# KiCad board RX8-7(WithoutOpAmps).kicad_pcb (continued)
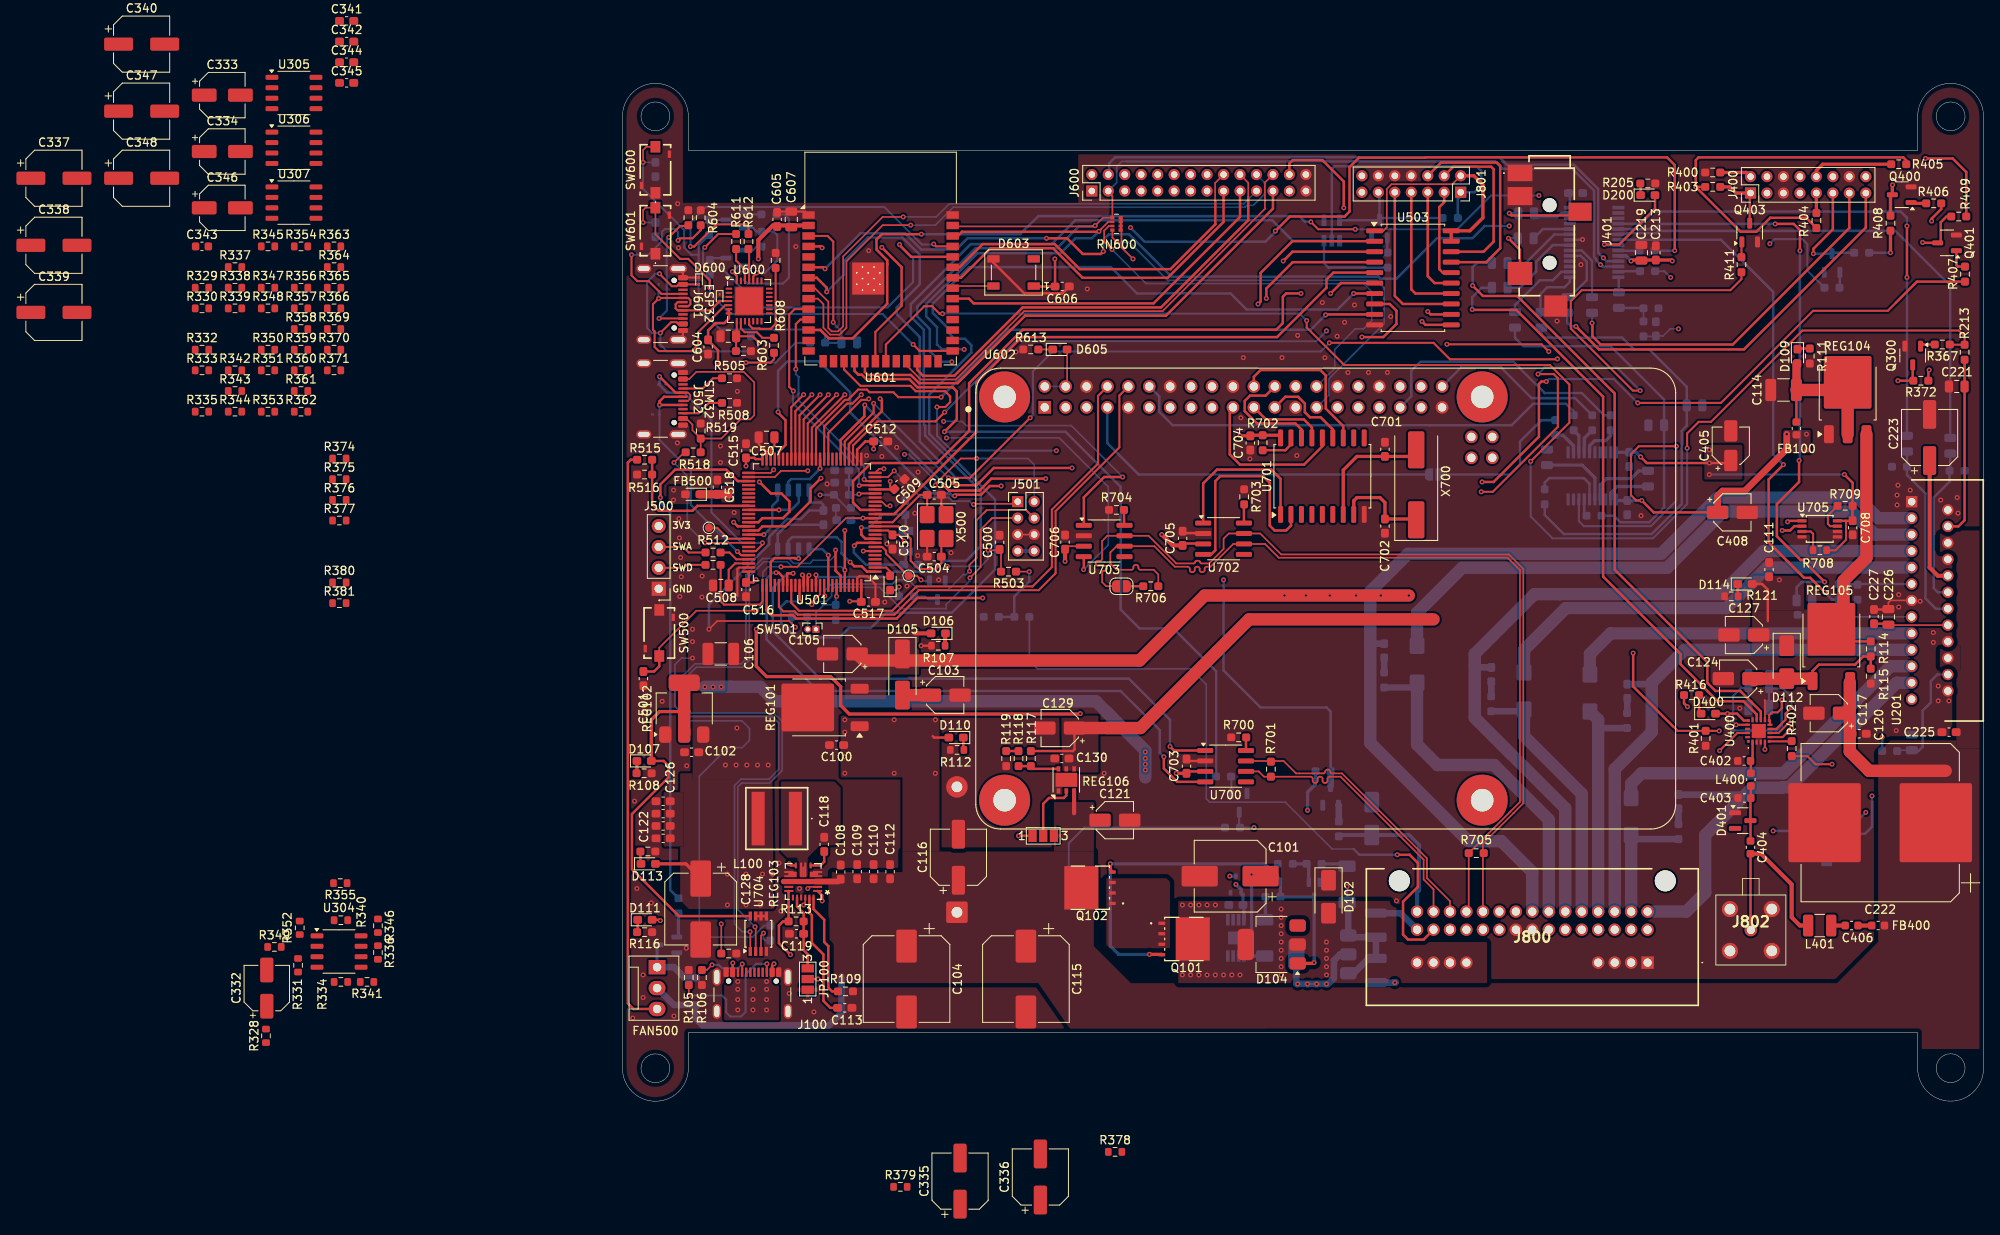
[diagram p0: board, top side]
## Routing (per net, layer and track width the routed paths; a pad name or vN(x,y) marks a point on that pad's centre or on a via; arc(x,y) is an arc through that point) (continued)
/MCU1/MT2_VH: length 91
  Top w0.3: U501.64 14,69.84 v1(13.5,70.34)
  In2.Cu w0.2: J600.14 70,111.59 70,109.54
  In2.Cu w0.3: v1(13.5,70.34) 12.55,71.29 12.55,75.64 20.85,83.94 30.8,83.94 38.7,91.84 38.7,92.39 40.95,94.64 68.3,94.64 70.3,96.64 70.3,107.94 70,108.24 70,109.54
/MCU1/MT2_VL: length 70.6
  Top w0.25: v1(29.91,85.33) 29.91,85.25 29.87,85.22 29.01,85.22 25,81.21 U501.34
  In2.Cu w0.2: J600.12 68.02,111.57 68.02,110.02
  In2.Cu w0.3: v1(29.91,85.33) 30.5,85.92 30.5,88.34 38.5,96.34 67.25,96.34 68.5,97.59 68.5,107.44 68.02,107.92 68.02,110.02
/MCU1/MT2_WH: length 99.6
  Top w0.3: v1(24.1,75.69) 22.85,74.44 22.85,72.89 19.8,69.84 17,69.84 16.5,69.34 U501.65
  In2.Cu w0.2: 72,109.54 72,111.59 J600.16
  In2.Cu w0.3: 72,109.54 72,95.99 69.05,93.04 42.28,93.04 36.78,87.54 36.78,87.47 31.05,81.74 21.5,81.74 17.65,77.89 17.65,76.09 18.05,75.69 v1(24.1,75.69)
/MCU1/MT2_WL: length 67.6
  Top w0.25: v1(29,85.84) 27.92,84.77 27.29,84.77 24.5,81.98 U501.35
  In2.Cu w0.3: v1(29,85.84) 29,87.84 38.2,97.04 66.2,97.04 67.8,98.64 67.8,107.04 67,107.84 J600.11
/MCU1/NRST: length 40.9
  Top w0.2: v1(19.25,64.93) 21.22,64.93 27.13,70.84 v1(29.2,70.84) ; v1(16.25,59.59) 8.97,59.59 4.47,55.09 SW500.2
  Top w0.3: C501.2 3.84,52.21 4.47,52.84 SW500.2 ; U501.14 v1(29.2,70.84)
  Bottom w0.2: v1(16.25,59.59) 17.05,60.39 17.05,64.28 17.7,64.93 v1(19.25,64.93)
  Bottom w0.3: v1(29.2,70.84) 27.9,70.84 27.8,70.74
/MCU1/OUT1Hz: length 8.5
  Top w0.25: v1(36.25,63.34) 35.75,63.84 TP500.1 34.7,63.84 32,66.54 32,66.89 31.54,67.34 U501.7
  Bottom w0.25: Q502.2 36.36,63.23 v1(36.25,63.34)
/MCU1/OUT25MHz: length 5.4
  Top w0.25: U501.67 12.82,68.34 11.5,69.67 TP501.1
/MCU1/PA2: length 19.5
  Top w0.2: v1(42.65,72.51) 42.74,72.59 47.75,72.59 48,72.84 ; v1(33,76.59) 32.25,75.84 U501.24
  Bottom w0.2: v1(42.65,72.51) 42.55,72.51 42.14,72.91 40.08,72.91 39.89,73.1 39.88,73.1 39.64,73.34 36.25,73.34 v1(33,76.59)
/MCU1/PA3: length 28.4
  Top w0.2: v1(38,74.84) 38,74.99 41.1,78.09 v1(43,78.09) ; v1(31.75,76.84) 31.17,76.84 U501.25
  In2.Cu w0.2: v1(34.25,78.59) 33.5,78.59 v1(31.75,76.84)
  Bottom w0.2: v1(43,78.09) 49.25,78.09 50,77.34 50,72.84 ; v1(34.25,78.59) 34.79,78.59 38,75.39 v1(38,74.84)
/MCU1/PB4: length 41.4
  Top w0.2: 44.56,70.51 43.5,69.44 43.5,64.89 v1(42.2,63.59) ; 44.56,70.51 44.9,70.84 48,70.84 ; 44.56,70.51 44.91,70.85 J501.3 ; U501.90 24,61.59 23,60.59 v1(23,60.34)
  Bottom w0.2: v1(42.2,63.59) 42.15,63.54 42.15,63.19 39.3,60.34 39.3,59.84 33.83,59.84 31.23,62.44 25.7,62.44 25.4,62.14 25.4,61.37 24.73,60.71 23.36,60.71 v1(23,60.34)
/MCU1/PB5: length 37.9
  Top w0.2: 43.85,71.45 44.24,71.83 ; 43.85,71.45 43,70.59 43,66.01 42.13,65.15 42.13,64.41 v1(42.15,64.39) ; 43.85,71.45 44.24,71.83 49.01,71.83 50,70.84 ; v1(24.56,61.39) 24.5,61.45 U501.91 ; 49.02,71.83 J501.4
  Bottom w0.2: v1(42.15,64.39) 41.74,63.99 41.39,63.99 39.5,62.09 36,62.09 34.75,63.34 33.25,63.34 32.75,62.84 25.4,62.84 24.56,62.01 v1(24.56,61.39)
/MCU1/QSPI_CLK: length 6.7
  Top w0.3: v1(24,76.88) U501.36
  Bottom w0.3: v1(24,76.88) 22.71,75.59 20.5,75.59 20.11,75.21 U502.6
/MCU1/QSPI_CS: length 6.3
  Top w0.3: v1(25,66.34) U501.92
  Bottom w0.3: U502.1 24.26,67.08 v1(25,66.34)
/MCU1/QSPI_D0: length 8
  Top w0.3: U501.66 v1(17.17,68.84)
  Bottom w0.3: U502.5 18.84,72.99 18.2,72.34 18.2,69.87 v1(17.17,68.84)
/MCU1/QSPI_D1: length 7.6
  Top w0.3: U501.78 18,65.51 18.48,65.99 20.95,65.99 21,65.94 v1(21.38,65.94)
  Bottom w0.3: v1(21.38,65.94) U502.2
/MCU1/QSPI_D2: length 14.3
  Top w0.3: U501.1 29.7,64.34 29.05,64.99 28.15,64.99 v1(27.65,65.49)
  Bottom w0.3: v1(27.65,65.49) 26.6,66.54 26.6,67.94 26,68.54 20.6,68.54 20.11,68.06 U502.3
/MCU1/QSPI_D3: length 8
  Top w0.3: U501.60 v1(19,71.84)
  Bottom w0.3: U502.7 21.38,72.73 20.5,71.84 v1(19,71.84)
/MCU1/RS_MODE: length 104
  Top w0.3: v1(22.65,63.9) 22.5,63.75 U501.87 ; v1(78.2,97.54) 78.2,98.74 81.41,101.95 91.35,101.95
  In2.Cu w0.3: v1(22.65,63.9) 22.65,64.39 22.85,64.59 24.95,64.59 26.9,62.64 29.73,62.64 31.03,61.34 39.6,61.34 41.5,63.24 41.5,65.93 42,66.43 42,87.43 42.5,87.93 42.5,88.44 43.9,89.84 50.46,89.84 51.61,90.99 70.82,90.99 71.97,92.14 73.4,92.14 77.46,96.2 77.46,96.2 77.84,96.58 77.84,96.58 78.2,96.94 v1(78.2,97.54)
/MCU1/STM32_RX: length 61.1
  Top w0.25: U602.8 57.75,85.69 57.75,77.48 52.15,71.88 52.15,64.89 49.8,62.54 35.7,62.54 32.75,59.59 21.46,59.59 20.5,60.55 U501.83
/MCU1/STM32_TX: length 65
  Top w0.25: U501.80 19,60.06 19.54,59.52 20.9,59.52 21.3,59.12 33.03,59.12 36,62.09 50.55,62.09 52.6,64.14 52.6,71.69 60.35,79.44 60.35,85.75 U602.10
/MCU1/U1LCD_CS: length 76.9
  Top w0.3: U501.15 33,71.34 42.96,81.3 42.96,87.3 48.5,92.84 79.5,92.84 85.5,98.84 85.5,99.84 86.34,100.68 U503.5
/MCU1/U1LCD_EN: length 135.5
  Top w0.3: v1(21.5,60.72) U501.85 ; v1(88.8,98.14) U503.7
  Bottom w0.3: v1(88.8,98.14) 86.86,96.19 75.8,96.19 73.85,98.14 62.5,98.14 59.3,101.34 42.11,101.34 37.7,96.93 37.7,95.74 39.45,93.99 39.45,93.49 40.3,92.64 41.6,92.64 42.38,91.87 42.38,90.97 37.25,85.84 37.25,81.09 45.25,73.09 45.25,64.59 40,59.34 32,59.34 30.15,57.49 27.5,57.49 26.35,56.34 21,56.34 19.25,58.09 19.25,60.09 19.88,60.72 v1(21.5,60.72)
/MCU1/U1LCD_MOSI: length 84.2
  Top w0.3: 91.35,99.41 87.26,99.41 v1(86,98.14) ; v1(82.4,98.14) 80.6,98.14 80.2,97.74 80.2,94.54 79.4,93.74 48.6,93.74 42.1,87.24 42.1,81.44 38.2,77.54 30.2,77.54 28,75.34 28,72.74 28.9,71.84 U501.16
  In2.Cu w0.3: v1(82.4,98.14) v1(86,98.14)
/MCU1/U1LCD_SCK: length 120
  Top w0.3: U501.46 19,78.94 19.8,79.74 19.8,82.74 18.9,83.64 v1(18.9,83.74) ; v1(80.25,102.09) 81.38,103.22 U503.3 ; v1(45.99,74.75) 45.98,74.74 44.61,74.74 43.56,73.69 40.5,73.69 v1(40.35,73.54)
  In2.Cu w0.3: v1(45.99,74.75) 45.1,75.64 45.1,76.94 44.3,77.74 44.3,81.84 42.6,83.54 42.6,87.32 44.31,89.02 50.38,89.02 51.75,90.39 73.7,90.39 80.25,96.94 v1(80.25,102.09)
  Bottom w0.3: v1(18.9,83.74) 18.9,88.74 20.05,89.89 23.87,89.89 27.65,86.11 27.65,83.69 37.5,73.84 39.78,73.84 40.06,73.56 40.34,73.56 v1(40.35,73.54)
/MCU1/UART7_RX: length 78.1
  Top w0.25: v1(38.7,85.54) 33.5,85.54 32.9,86.14 30,86.14 29.67,86.47 28.63,86.47 27.37,85.22 27.01,85.22 23.5,81.71 U501.37
  Top w0.3: U503.9 85.46,95.6 v1(85.4,95.54)
  Bottom w0.3: v1(38.7,85.54) 39.9,86.74 39.9,86.76 46.88,93.74 83.6,93.74 v1(85.4,95.54)
/MCU1/UART7_TX: length 111.7
  Top w0.3: v1(89.8,92.84) 92.4,92.84 94,94.44 94,96.04 93.18,96.87 91.35,96.87 ; U501.77 17.5,59.64 18.1,59.04 20.7,59.04 21.1,58.64 33.3,58.64 35.8,61.14 v1(43.75,61.14)
  In2.Cu w0.3: 50.17,87.81 50.17,78.01 43.75,71.59 v1(43.75,61.14) ; 50.17,87.81 50.47,88.12 ; 50.17,87.81 50.47,88.12 ; 50.47,88.12 51.9,89.54 86.2,89.54 89.5,92.84 v1(89.8,92.84)
/MCU1/USB_CC1: length 5.3
  Top w0.25: J502.A5 9.75,86.59 11,87.84 R505.1
/MCU1/USB_CC2: length 5.3
  Top w0.25: J502.B5 9.25,83.59 10.5,84.84 R508.1
/MCU1/USB_DN: length 36.4
  Top w0.2: J502.A7 7.96,85.09 8.23,85.36 8.23,85.83 7.96,86.09 J502.B7
  Top w0.25: v1(17,67.84) 17,67.64 16.2,66.84 U501.70
  Top w0.3: v1(4.5,88.04) 6.45,86.09 J502.B7
  Bottom w0.25: 6.45,86.09 7.45,86.09 10.8,82.74 10.8,71.54 14.5,67.84 v1(17,67.84)
  Bottom w0.3: v1(4.5,88.04) 4.5,87.18 D502.2 5.41,86.09 6.45,86.09
/MCU1/USB_DP: length 29.7
  Top w0.25: v1(13.95,66.79) 14.4,66.34 U501.71
  Top w0.3: J502.A6 5.05,85.59 4.5,85.04 v1(4.5,84.59) J502.B6
  Bottom w0.25: v1(4.5,84.59) 4.5,80.34 8.3,76.54 8.3,72.44 v1(13.95,66.79)
/MCU1/WheelButton_IN: length 23.8
  Top w0.2: R503.2 45.97,66.87 C500.1 45.69,66.93 v1(44.4,66.93) ; U501.18 31.51,72.84 32,72.35 32.49,72.35 v1(32.5,72.34)
  In2.Cu w0.2: v1(39.44,64.99) 38.09,66.34 37.2,66.34 36.5,67.04 35.76,67.04 35,67.8 35,69.84 v1(32.5,72.34)
  Bottom w0.2: v1(44.4,66.93) 44.4,65.86 43.53,64.99 v1(39.44,64.99)
/MCU2/CLCD_DC: length 62.4
  Top w0.3: J600.23 79,108.44 66,95.44 48.9,95.44 40.7,87.24 36.03,87.24 35.03,88.24 29.8,88.24 29.44,88.6 U601.19
/MCU2/CLCD_RST: length 57.9
  Top w0.2: J600.24 78.02,111.62 78.02,108.43 65.59,95.99 48.79,95.99 40.49,87.69 36.21,87.69 34.53,89.38 U601.23
/MCU2/CS1: length 42.6
  Top w0.3: U601.32 42.08,97.51 42.65,96.94 64.5,96.94 75,107.44 J600.19
/MCU2/CS2: length 73.5
  Top w0.2: v1(35,106.44) 31.6,106.44 27.2,102.04 27.2,93.98 26.37,93.14 25.23,93.14 24.4,93.98 24.4,96.84 23.73,97.51 U601.9
  Bottom w0.2: v1(35,106.44) 38,106.44 40.2,108.64 75.62,108.64 75.82,108.84 76.63,108.84 77.98,110.19 77.98,111.62 J600.22
/MCU2/CS3: length 70.5
  Top w0.2: v1(34.1,107.44) 31.6,107.44 26.8,102.64 26.8,94.14 26.2,93.54 25.4,93.54 25,93.94 25,97.14 23.36,98.78 U601.8
  Bottom w0.2: J600.21 75.45,109.04 39.7,109.04 38.1,107.44 v1(34.1,107.44)
/MCU2/LED_DIN: length 5.1
  Top w0.2: U601.33 40.36,99.04 D603.4
/MCU2/PI_CS: length 14.5
  Top w0.3: U701.16 82.46,81.62 81.74,82.34 77.07,82.34 75.57,83.84 75.57,85.08 76.22,85.73 78.11,85.73 U602.24
/MCU2/PI_INT: length 19
  Top w0.3: U602.22 76.68,88.02 77.5,88.84 84.75,88.84 85.41,88.18 85.41,84.16 87.54,82.03 U701.12
/MCU2/PI_MISO: length 9.3
  Top w0.3: U701.15 83.73,81.86 82.75,82.84 78.14,82.84 U602.21
/MCU2/PI_MOSI: length 19.6
  Top w0.3: U602.19 73.75,83.91 73.75,78.59 75,77.34 82.77,77.34 85,79.57 U701.14
/MCU2/Pi_SCL: length 52.5
  Top w0.2: RN600.4 59.07,106.34 58.5,105.78 58.5,104.44 v1(59.45,103.49)
  Bottom w0.2: U602.28 86.5,89.04 86.5,91.34 89,93.84 90,93.84 91,94.84 91,98.34 90,99.34 63.6,99.34 v1(59.45,103.49)
/MCU2/PI_SCLK: length 10.9
  Top w0.3: U701.13 86.27,81.62 84.79,83.09 83.5,83.09 82.87,83.72 82.87,84.76 82.04,85.59 80.51,85.59 U602.23
/MCU2/Pi_SDA: length 54.4
  Top w0.2: RN600.5 59.5,104.94 v1(60,104.44)
  Bottom w0.2: U602.27 85.78,85.78 85.78,87.75 92.5,94.48 92.5,98.84 91.6,99.74 66.2,99.74 61.6,104.34 60.1,104.34 v1(60,104.44)
/MCU2/U6_EN: length 64.2
  Top w0.2: SW600.2 2.9,115.97 2.5,115.57 v1(2.5,114.07)
  Top w0.25: U601.3 24.91,105.13 25.6,104.44 v1(25.6,94.64)
  Bottom w0.2: C601.2 v1(2.5,114.07)
  Bottom w0.25: 9.25,102.84 8.36,102.84 7.5,103.71 7.5,105.84 2.5,110.84 v1(2.5,114.07) ; 9.25,102.84 9.25,103.98 R606.2 ; 9.25,102.84 9.25,96.39 11.89,93.76 24,93.76 24.61,93.14 R609.2 26.53,92.14 C603.1 26.59,93.55 25.6,94.54 v1(25.6,94.64)
/MCU2/U6_GPIO0: length 52.3
  Top w0.2: 4.38,104.97 4,105.34 SW601.2 2.8,108.57 2.5,108.27 v1(2.5,106.77)
  Top w0.25: v1(10.6,98.84) 10.6,99.74 8,102.34 7,102.34 4.38,104.97 ; U601.27 36.08,91.16 v1(35.3,91.94)
  Bottom w0.2: v1(2.5,106.77) C602.2
  Bottom w0.25: v1(35.3,91.94) 31.6,95.64 13.1,95.64 10.6,98.14 v1(10.6,98.84) 10.6,100.42
/MCU2/U6_MISO: length 42.4
  Top w0.3: U601.34 41.11,100.05 44.7,103.64 52.29,103.64 55.88,100.05 66.22,100.05 73,106.83 J600.17
/MCU2/U6_MOSI: length 43.1
  Top w0.2: 72,109.34 71.98,109.37 71.98,111.57 J600.18
  Top w0.3: U601.35 40.93,101.32 43.75,104.14 52.5,104.14 55.55,101.09 66.55,101.09 72,106.54 72,109.34
/MCU2/U6_SCLK: length 55.4
  Top w0.2: J600.20 76,111.59 76,109.84
  Top w0.3: 35.8,89.91 35.8,88.85 36.5,88.14 40.3,88.14 48.6,96.44 65.4,96.44 76,107.04 76,109.84
/MCU2/U6DTR: length 19.6
  Top w0.25: v1(13.35,100.79) 13.88,100.26 U600.28
  Bottom w0.25: R600.1 19.7,107.74 20.2,107.24 20.2,100.04 19.5,99.34 15.2,99.34 14.8,99.74 14.82,99.77 Q601.3 14.05,101.49 v1(13.35,100.79)
/MCU2/U6RTS: length 11.7
  Top w0.25: v1(16.3,100.64) 15.88,100.22 U600.24
  Bottom w0.25: v1(16.3,100.64) 17.3,100.64 18.8,102.14 18.8,105.24 18.39,105.66 R601.1 16.29,105.66 15.83,106.12 Q600.3
/MCU2/U6RXD: length 47.9
  Top w0.25: v1(10,103.74) 11.62,105.37 R611.2
  Top w0.3: U601.36 35.05,102.59 33.65,103.99 v1(33.65,104.09)
  Bottom w0.25: v1(33.65,104.09) 35.3,102.44 35.3,99.54 32.2,96.44 16.81,96.44 11.91,101.34 10.21,101.34 9.8,101.75 9.8,103.54 v1(10,103.74)
/MCU2/U6TXD: length 46.8
  Top w0.25: U601.37 38.08,103.86 v1(37.8,104.14) ; v1(8.25,103.84) 8.7,103.84 11.4,106.54 15,106.54 15.3,106.24 R612.2
  Bottom w0.25: v1(37.8,104.14) 37.75,104.09 36.35,104.09 31.8,108.64 10.1,108.64 8.25,106.79 v1(8.25,103.84)
/MCU2/USB2_CC1: length 22.3
  Top w0.25: J601.A5 4.74,98.09 3.19,99.64 1.8,99.64 1.1,100.34 v1(1.1,102.84) ; R604.1 9.5,105.84 8.5,104.84 7,104.84 v1(6.75,104.59)
  Bottom w0.25: v1(1.1,102.84) 3.14,102.84 4.8,104.5 4.8,105.64 5.13,105.97 6.37,105.97 6.75,105.59 v1(6.75,104.59)
/MCU2/USB2_CC2: length 16.3
  Top w0.25: R605.1 7.91,106.34 7,106.34 v1(5.62,104.97) ; v1(4.44,95.1) 7.34,95.1 J601.B5
  Bottom w0.25: v1(4.44,95.1) 5.37,96.04 5.37,104.72 v1(5.62,104.97)
/MCU2/USB2_D+: length 8.5
  Top w0.25: J601.A6 6.71,97.09 6.45,96.84 6.45,96.35 6.71,96.09 J601.B6 10.69,96.09 D602.2 11.82,97.22 U600.4
/MCU2/USB2_D-: length 25
  Top w0.25: J601.A7 7.99,96.59 8.25,96.85 8.25,97.34 7.99,97.59 J601.B7 4.45,97.59 v1(4.4,97.54) 3.7,96.84 3.7,93.74 3.9,93.54 3.9,91.64 4.4,91.14 8.4,91.14 9.2,91.94 9.2,93.44 12.48,96.72 U600.5
  Bottom w0.25: v1(4.4,97.54) D601.2
/Power/ENABLE: length 153
  Top w0.3: JP101.1 v1(48.1,32.24) ; REG103.9 20.45,28.64 v1(20.25,28.84)
  In2.Cu w0.3: v1(20.25,28.84) 23,28.84 27.97,23.87 27.97,10.57 29.57,8.97 62.3,8.97 ; 62.3,8.97 62.3,29.84 59.9,32.24 v1(48.1,32.24) ; 62.3,8.97 63.88,8.97 67.5,12.59 87,12.59 88,13.59 v1(88,26.09)
  Bottom w0.3: v1(88,26.09) D101.2
  Bottom w0.8: D100.1 88.8,15.54 90.6,17.34 R101.2 91.5,19.92 88.38,19.92 D100.1 88.15,23.99 D101.2
/Power/PG_OUT: length 45
  Top w0.3: v1(4.6,21.94) 4.5,22.04 D111.2 ; v1(20.4,17.8) 19,19.2 19,21.34 19.5,21.84 R113.1 20.17,25.37 20.2,25.39 REG103.14
  In2.Cu w0.2: v1(20.4,17.8) 21.25,16.95 21.25,10.34 20.5,9.59 8.71,9.59 6.89,11.41 6.89,17.05 4.6,19.34 v1(4.6,21.94)
/SCL: length 332.2
  Top w0.2: 59.1,110.34 59.5,109.94 RN600.2 58.36,107.34 v1(57.4,106.38) 57.31,106.29 40.21,106.29 U601.39 ; v1(16.1,21.19) 16.17,21.12 U704.2
  Top w0.25: v1(142,46.34) 140.4,44.74 U400.8
  Top w0.3: v1(27,69.34) v1(27,64.54) U501.96 ; U705.2 142.32,69.87 141.8,69.34 v1(140.85,69.34)
  In2.Cu w0.25: v1(118.78,101.64) 119.08,101.34 131.5,101.34 134.25,98.59 134.25,85.34 137,82.59 137,73.19 v1(140.85,69.34) 136.92,65.42 136.92,52.42 137.6,51.74 137.6,48.94 140.2,46.34 v1(142,46.34)
  In2.Cu w0.3: v1(27,69.34) 27.3,69.04 29.7,69.04 31,70.34 31,71.84 32.3,73.14 34.8,73.14 40,78.34 v1(40,89.84)
  Bottom w0.2: v1(27,64.54) 26.6,64.94 20.6,64.94 20,65.54 17.17,65.54 15.4,63.78 15.4,53.58 14.57,52.74 8.97,52.74 7.4,51.18 7.4,48.14 8.4,47.14 18.4,47.14 19.4,46.14 19.4,46.11 19.4,46.11 19.4,40.18 17.88,38.66 14.48,38.66 14,38.18 14,37.74 ; v1(16.1,21.19) 14,23.29 14,37.94 ; 61.24,114.18 60.64,114.18 60.02,113.57 60.02,111.62 J600.3
  Bottom w0.3: v1(57.4,106.38) 57.31,106.29 55.45,106.29 52.8,103.64 42.9,103.64 35.8,96.54 35.8,95.34 37.3,93.84 37.3,91.14 38.6,89.84 v1(40,89.84) ; U200.26 119.01,101.42 118.25,102.17 118.25,102.33 118,102.58 118,110.64 115.34,113.29 106.89,113.29 106,114.18 61.24,114.18
/SDA: length 378.5
  Top w0.2: RN600.3 59,106.84 58.1,105.94 58.1,105.92 v1(57.86,105.68) ; v1(15.5,20.59) 15.52,20.57 U704.1
  Top w0.25: v1(142,45.34) 140.9,44.24 U400.7
  Top w0.3: U601.38 40.73,105.13 41.24,105.64 57.82,105.64 v1(57.86,105.68) ; v1(141.5,70.39) 141.5,70.44 141.57,70.52 U705.1 ; v1(25.88,66.97) 25.88,64.47 26.5,63.84 U501.95
  In2.Cu w0.2: v1(57.86,105.68) 58,105.82 58,111.59 J600.4
  In2.Cu w0.25: v1(119.12,102.47) 118.69,102.47 118.13,101.91 118.13,101.37 118.66,100.84 129,100.84 133,96.84 133,85.09 136,82.09 136,76.09 133.25,73.34 133.25,55.17 137,51.42 137,46.34 138.25,45.09 141.74,45.09 v1(142,45.34)
  In2.Cu w0.3: v1(142,45.34) 142.4,45.34 142.8,45.74 142.8,46.46 142.27,46.99 141.63,46.99 138.08,50.55 138.08,52.47 137.4,53.14 137.4,64.34 141.5,68.44 v1(141.5,70.39) ; v1(25.88,66.97) 26.7,66.14 27.92,66.14 30.22,63.84 30.22,63.62 31.5,62.34 32.5,62.34 34.15,63.99 39.75,63.99 40.5,64.74 40.5,66.34 41,66.84 41,87.84 41.5,88.34 v1(41.5,91.34)
  Bottom w0.2: v1(25.88,66.97) 25.88,66.37 25.25,65.74 23.15,65.74 22.75,65.34 20.8,65.34 20.2,65.94 17,65.94 15,63.94 15,53.74 14.4,53.14 8.8,53.14 7,51.34 7,47.94 8.2,46.74 18.2,46.74 19,45.94 19,40.34 17.8,39.14 14.4,39.14 13.6,38.34 13.6,21.54 14.55,20.59 v1(15.5,20.59)
  Bottom w0.3: 59.1,112.88 59.1,113.94 59.84,114.68 106.5,114.68 107.39,113.79 115.55,113.79 118.5,110.84 118.5,103.09 v1(119.12,102.47) 119.53,102.07 U200.25 ; v1(57.86,105.68) 57.02,104.84 55,104.84 53.2,103.04 43.11,103.04 36.9,96.84 36.9,95.34 38.2,94.04 38.2,91.94 38.8,91.34 v1(41.5,91.34)
ACC: length 5.8
  Bottom w0.8: J800.23 94.5,22.84 R100.1
AMPSTATE: length 181.8
  Top w0.25: U601.21 31.98,91.93 36.66,96.6 37.59,96.6 38.51,95.68 v1(38.86,95.68) ; R367.1 161.22,91.92 R213.1 163,92.94 162.3,93.64 143.3,93.64 132.2,82.54 130.7,82.54 129.3,81.14 v1(129.3,79.34) ; v1(83.1,94.84) 83.1,94.01 87.66,89.44 112.64,89.44 115,87.08 115,82.44 v1(110.3,77.74)
  Bottom w0.25: v1(110.3,77.74) 110.3,71.04 112.95,68.39 125.15,68.39 129.3,72.54 v1(129.3,79.34) ; v1(38.86,95.68) 82.26,95.68 v1(83.1,94.84)
Net-(C208-Pad1): length 1.8
  Bottom w0.8: R200.2 105.52,49.23 C208.1
Net-(C209-Pad1): length 1.8
  Bottom w0.8: R201.2 92.51,52.1 C209.1
Net-(C211-Pad1): length 1.9
  Bottom w0.8: C211.1 R202.2
Net-(C212-Pad1): length 1.8
  Bottom w0.8: C212.1 122.03,47.2 R203.2
Net-(C406-Pad1): length 1.7
  Top w0.5: C406.1 L401.2
Net-(C406-Pad2): length 1.7
  Top w0.5: FB400.2 C406.2
Net-(C506-Pad1): length 1.7
  Bottom w0.2: 25.92,72.09 25.92,70.44
Net-(C507-Pad1): length 2.8
  Top w0.25: C507.1 18.45,79.64 18,79.19 U501.48
Net-(C508-Pad1): length 4.6
  Top w0.25: U501.73 13.67,65.34 12.9,64.57 C508.1
Net-(D101-K): length 3.2
  Bottom w0.4: R102.1 87.7,28.84 D101.1
Net-(D103-K): length 13.1
  Bottom w0.4: 76.4,17.64 v1(76.4,27.54) ; 76.4,17.64 REG100.1 REG100.2 ; 76.4,17.64 D103.1
Net-(D104-K): length 55.4
  Top w0.4: Q102.4 59.25,28.09 v1(59.25,28.84) ; v1(64,17.84) 65.46,17.84 Q101.4 ; D104.1 83.9,16.74 v1(84,16.84)
  Bottom w0.4: v1(64,17.84) 60.25,17.84 59.25,18.84 v1(59.25,28.84) 78,28.84 79.91,26.93 R104.1 79.96,24.8 Q100.1 v1(84,16.84)
Net-(D105-A): length 3.4
  Top w1.5: C103.1 D105.2
Net-(D106-K): length 1.5
  Top w0.5: R107.2 39.18,56.79 D106.1
Net-(D107-K): length 1.5
  Top w0.4: D107.1 1.75,39.88 R108.1
Net-(D109-A): length 19.9
  Top w0.3: 142.58,82.67 C114.1
  Top w1: C114.1 142.58,89.67
  Top w1.5: C114.1 147.87,86.42 REG104.2 REG104.2
Net-(D109-K): length 1.5
  Top w0.3: R111.1 142.78,91.46 D109.1
Net-(D110-K): length 1.5
  Top w0.3: R112.2 41.39,42.76 D110.1
Net-(D111-K): length 1.5
  Top w0.3: R116.2 1.85,20.62 D111.1
Net-(D112-A): length 17.4
  Top w0.3: REG105.1 144.54,52.28 145.3,53.04 149.7,53.04 150.7,54.04 R114.2 R115.1
  Top w1.5: 144.24,51.34 D112.2 137.6,51.34 137.4,51.14
Net-(D113-K): length 1.5
  Top w0.3: R120.2 2.17,28.92 D113.1
Net-(D114-K): length 1.5
  Top w0.3: D114.1 135.45,61.39 R121.2
Net-(D200-A): length 11.3
  Top w0.3: v1(119.25,104.09) 121.05,104.09 125.4,108.44 D200.2
  Bottom w0.3: v1(119.25,104.09) 119.32,104.02 U200.22
Net-(D200-K): length 1.4
  Top w0.3: D200.1 123.65,111.48 R205.1
Net-(D400-K): length 2.4
  Top w0.3: D400.1 130.75,47.34 R416.1
Net-(D401-A2): length 6.7
  Top w0.3: C404.1 137,34.08 D401.2 136.99,36.79 C403.2 L400.2
Net-(D504-K): length 2.4
  Top w0.25: v1(33.59,62.49) 33.19,62.09 D504.1
  Bottom w0.25: v1(33.59,62.49) R511.2
Net-(D505-A): length 7.9
  Bottom w0.4: 4.2,19.01 FAN500.1
  Bottom w0.8: FAN500.1 6.26,16.28 7.55,14.99 D505.2
Net-(D605-A): length 7.1
  Top w0.2: U602.4 54,87.02 D605.2
  Bottom w0.2: U602.2 U602.4
Net-(D605-K): length 1.8
  Top w0.2: D605.1 R613.2
Net-(FAN500-Tacho): length 70.8
  Top w0.3: FAN500.3 1.34,11.2 0.65,11.89 0.65,77.59 1,77.94 R515.1
Net-(J100-CC1): length 6.5
  Top w0.2: R106.1 10.25,15.94 v1(10.88,16.57)
  Top w0.25: v1(14.55,16.67) 14.53,16.65 J100.A5
  Bottom w0.25: v1(10.88,16.57) 11.7,16.57 12.1,16.17 14.05,16.17 v1(14.55,16.67)
Net-(J100-CC2): length 19
  Top w0.2: v1(8.1,12.84) 8.05,12.89 R105.1
  Top w0.25: v1(17.53,16.69) 17.53,15.67
  Bottom w0.25: v1(17.53,16.69) 16.25,16.69 14.95,15.39 14.95,10.84 14.4,10.29 13.1,10.29 12.6,10.79 12.6,12.34 12.1,12.84 v1(8.1,12.84)
Net-(J500-Pin_2): length 5.8
  Top w0.25: R513.2 7.83,65.17 7.46,64.8 J500.2
Net-(J500-Pin_3): length 6
  Top w0.25: J500.3 7.36,67.34 8.04,66.67 R512.2
Net-(J502-VBUS-PadA4): length 26.5
  Top w0.2: J502.A9 7.77,82.94 8.5,82.21 8.5,81.52 R519.1 ; J502.A4 8.1,87.74 8.98,88.62 14.72,88.62 16,87.34 16,83.34 15.5,82.84 14.33,82.84 12,80.52 R519.1 ; 9.67,78.84 9.5,79.02 R519.1
Net-(JP100-B): length 9.1
  Top w0.3: REG103.16 21.2,23.64 22,22.84 R113.2 C119.1 22,18.34 22.5,17.84 JP100.3
Net-(JP100-C): length 12.5
  Top w0.3: JP100.2 v1(23.75,14.84) ; v1(24.25,24.34) 24.25,24.99 REG103.1
  In2.Cu w0.3: v1(23.75,14.84) 24,14.84 24.25,15.09 v1(24.25,24.34)
Net-(JP101-C): length 7.7
  Top w0.3: REG106.2 53.9,37.14 53.6,36.84 51.8,36.84 51.1,36.14 JP101.2
Net-(JP600-A): length 45
  Bottom w0.3: U602.7 58.9,79.94 62.7,76.14 JP600.1
Net-(JP702-B): length 2
  Top w0.3: R706.2 JP702.2
Net-(Q100-B): length 4
  Bottom w0.4: R103.2 R102.2 83.35,28.58 Q100.2
Net-(Q300-B): length 1.8
  Top w0.3: Q300.2 157.85,91.94 R367.2
Net-(Q301-B): length 2.1
  Bottom w0.25: R368.2 73.95,39.39 Q301.2
Net-(Q400-B): length 1.9
  Top w0.4: Q400.2 156.6,109.09 R406.2
Net-(Q401-B): length 2.9
  Top w0.3: Q401.2 162,101.59 162.19,101.41 R407.2
Net-(Q402-B): length 1.9
  Bottom w0.3: R410.2 147.85,98.89 Q402.2
Net-(Q403-B): length 1.9
  Top w0.25: Q403.2 135.9,104.36 R411.2
Net-(Q404-B): length 1.8
  Bottom w0.3: Q404.2 146.43,30.93 R412.2
Net-(Q404-C): length 30.1
  Top w0.25: v1(129.34,47.93) 129,48.27 128.93,48.27
  Top w0.3: R416.2 128.93,48.34 v1(129.34,47.93)
  In2.Cu w0.25: v1(129.34,47.93) 129.34,42.01 138.5,32.84 v1(139.75,32.84)
  Bottom w0.3: Q404.1 143.97,30.81 144.5,31.34 R413.1 143,32.59 142.75,32.84 v1(139.75,32.84)
Net-(Q500-B): length 2
  Bottom w0.8: R501.2 87,35.91 Q500.2
Net-(Q501-B): length 1.8
  Bottom w0.3: Q501.2 92.88,103.16 R504.2
Net-(Q502-C): length 3
  Bottom w0.2: R511.1 36.75,61.34 37.14,60.96 Q502.1
Net-(Q503-B): length 3
  Bottom w0.4: Q503.2 6.8,20.14 R517.2
Net-(Q600-B): length 2.2
  Bottom w0.25: Q600.2 15.1,107.74 R600.2
Net-(Q600-C): length 2.1
  Bottom w0.25: Q600.1 10.51,107.07 R606.1
Net-(Q601-B): length 2.3
  Bottom w0.25: R601.2 16.29,103.83 15.85,103.39 Q601.2
Net-(Q601-C): length 2
  Bottom w0.25: R607.2 10.8,102.44 Q601.1
Net-(R118-Pad1): length 1.5
  Top w0.3: R118.1 R119.2
Net-(R503-Pad1): length 9.7
  Top w0.2: R503.1 v1(49.4,64.34)
  Bottom w0.3: R521.1 R520.2 47.59,61.33 49.4,63.14 v1(49.4,64.34)
Net-(REG103-BST): length 3.1
  Top w0.3: C118.1 24.5,29.09 24.05,28.64 REG103.6
Net-(REG103-FREQ): length 13
  Top w0.3: R109.1 25.46,13.34 25,13.81 25,18.84 24.5,19.34 24.5,22.04 23.2,23.34 REG103.20
Net-(REG103-SS): length 15.3
  Top w0.3: REG103.19 22.7,22.89 23,22.59 23,19.24 24.4,17.84 24.4,12.19 25.25,11.34 C113.1
Net-(REG103-SYNCIN): length 70.4
  Top w0.2: v1(12,21.54) R110.1 ; REG103.2 22.7,26.04 v1(22.5,25.84)
  In2.Cu w0.2: v1(22.5,25.84) 24,25.84 25.25,24.59 25.25,9.59 24.58,8.92 24.5,8.92 3.42,8.92 1.75,10.59 1.75,22.09 2.75,23.09 5.25,23.09 6.8,21.54 v1(12,21.54)
Net-(REG106-ADJ): length 4.8
  Top w0.3: REG106.6 49.63,40.38 ; R117.1 R118.2
Net-(SW501-Pin_2): length 1.5
  Bottom w0.2: R500.2 22.5,58.76 SW501.2
Net-(U200-CREF): length 1.8
  Bottom w0.3: C210.1 115.06,110.17 U200.14
Net-(U200-DC_ERR_/_MOUT): length 2.7
  Bottom w0.3: R204.1 121.01,100.84 U200.27
Net-(U200-FDL+/QD4L): length 4.9
  Bottom w0.3: U200.10 111.78,105.97 C206.2
Net-(U200-FDR+/QDAR): length 4.8
  Bottom w0.3: C207.2 111.2,107.39 113.5,107.39 114.02,107.92 U200.13
Net-(U200-MUTE): length 2.6
  Bottom w0.3: U200.23 120.96,103.34 R206.1
Net-(U200-OUTLF): length 64.8
  Top w0.3: v1(146,61.84) 144.25,63.59 143.5,63.59 139.2,67.89 139.2,75.54 v1(141,77.34)
  Bottom w0.3: v1(141,77.34) 139.75,78.59 139.75,98.34 133.43,104.67 U200.21 ; v1(146,61.84) 146.9,60.94 C215.1
Net-(U200-OUTLR): length 61.8
  Bottom w0.3: U200.20 121.01,105.39 122.03,105.39 122.03,105.47 125.58,105.47 125.86,105.74 154.6,105.74 161.25,99.09 C216.1
Net-(U200-OUTRF): length 62.5
  Top w0.3: v1(156,100.09) v1(156,106.34)
  Bottom w0.3: U200.18 123.78,106.62 125.25,108.09 155.25,108.09 156,107.34 v1(156,106.34) ; C218.1 v1(156,100.09)
Net-(U200-OUTRR): length 74.4
  Top w0.3: v1(146,63.09) 143.32,65.77 143.07,65.77 140.2,68.64 140.2,72.54 142.9,75.24 v1(142.9,77.84) ; v1(140,106.59) 142.25,106.59 143,105.84 v1(143,103.34)
  Bottom w0.3: v1(143,103.34) 143,77.94 v1(142.9,77.84) ; C217.1 142.6,62.44 143.25,63.09 v1(146,63.09) ; U200.19 125.38,105.97 126,106.59 v1(140,106.59)
Net-(U200-QD1L): length 7.5
  Bottom w0.3: U200.1 115.06,99.55 114.4,98.89 112.3,98.89 111.5,98.09 111.5,95.34
Net-(U200-QD1R): length 9.2
  Bottom w0.3: C201.2 108.4,96.74 111.4,99.74 113,99.74 114.02,100.77 U200.2
Net-(U200-QD2L): length 7.9
  Bottom w0.3: 114.75,97.4 117.1,99.75 117.1,101.99 116.38,102.72 U200.5
Net-(U200-QD2R): length 7.6
  Bottom w0.3: U200.6 116.5,103.37 117.75,102.12 C203.2
Net-(U200-QD3L): length 10.2
  Bottom w0.3: 107.75,98.84 109,98.84 110.97,100.82 110.97,102.02 112.98,104.02 U200.7
Net-(U200-QD3R): length 9
  Bottom w0.3: U200.9 113.18,105.32 109.7,101.84 C205.2
Net-(U200-WIN_IN_/_BEEP): length 1.9
  Bottom w0.3: U200.28 121,100.06 C214.1
Net-(U201-AC-GND): length 9
  Top w0.2: C226.1 153.8,57.84 U201.16
  Top w0.3: C226.1 153.63,58.02 C227.1
Net-(U201-MUTE): length 14.1
  Bottom w0.2: C220.1 154.91,42.64 R212.2
  Bottom w0.3: 156.7,42.64 156.8,42.54 157.4,42.54 157.9,43.04 157.9,47.44 158.9,48.44 158.9,51.04 159.7,51.84 U201.22
Net-(U201-ST-BY): length 21.8
  Top w0.3: R213.2 C221.1 163,70.59 162.25,69.84 U201.4
Net-(U201-SVR): length 16.1
  Top w0.5: U201.10 159.75,63.84 158.75,64.84 158.75,78.34
Net-(U400-GPIO3): length 9.7
  Top w0.25: v1(135.25,45.74) U400.17
  Bottom w0.25: v1(135.25,45.74) 134.9,46.09 134.9,49.24 135.89,50.23 C401.1 X400.2
Net-(U400-RCLK): length 10.9
  Top w0.25: U400.9 140.15,45.24 141.25,46.34 141.25,47.09 v1(142,47.84)
  Bottom w0.25: v1(142,47.84) 142,49.09 140.98,50.12 C400.1 X400.1
Net-(U400-~{SEN}): length 2.8
  Top w0.25: 142,43.93 141.79,43.72 U400.6
Net-(U401-BCK): length 2.9
  Bottom w0.4: R419.2 116.15,80.89 U401.13
Net-(U401-CAPM): length 8.3
  Bottom w0.4: U401.4 118.75,74.89 119.5,75.64 122.5,75.64 123.45,76.59 C410.1
Net-(U401-CAPP): length 5.1
  Bottom w0.4: U401.2 120.05,73.92 120.83,74.69 124.05,74.69
Net-(U401-DIN): length 3.1
  Bottom w0.4: U401.14 116.8,80.54 R418.2
Net-(U401-LRCK): length 4.5
  Bottom w0.4: U401.15 117.45,79.64 118.08,80.27 119.42,80.27 120.03,80.87 R417.2
Net-(U401-OUTL): length 8.7
  Bottom w0.3: U401.6 117.45,75.02 116.76,75.71 112.56,75.71 112,75.15 R421.1
Net-(U401-OUTR): length 1.9
  Bottom w0.3: U401.7 116.8,71.19
Net-(U401-SCK): length 3.6
  Bottom w0.4: U401.12 115.5,79.64 114.21,80.93 R420.2
Net-(U401-VNEG): length 9.1
  Bottom w0.4: C409.2 116.56,77.28 118.1,75.74 U401.5
Net-(U501-PA4): length 115.5
  Top w0.25: U501.28 28,79.67 30.92,82.59 38,82.59 v1(39.12,83.72) ; v1(112.5,91.09) 111.62,91.97 v1(100.12,91.97)
  In2.Cu w0.25: v1(112.5,91.09) 127.25,91.09 128.25,92.09 v1(128.25,93.84) ; v1(85.5,93.59) 98.5,93.59 v1(100.12,91.97)
  Bottom w0.2: R514.1 125.45,92.93 C511.2 126.39,92.98 127.25,93.84 v1(128.25,93.84)
  Bottom w0.25: v1(39.12,83.72) 47.75,92.34 84.25,92.34 v1(85.5,93.59)
Net-(U501-PA13): length 3.8
  Top w0.25: U501.72 13.82,65.84 13,66.67 R512.1
Net-(U501-PA14): length 11.8
  Top w0.25: U501.76 17,60.67 16.67,60.34 12.33,60.34 11.91,60.76 R513.1
Net-(U501-PB14): length 63.2
  Top w0.3: v1(4.6,73.34) 4.6,74.94 6.4,76.74 12.6,76.74 14,75.34 U501.53
  Bottom w0.3: v1(4.6,73.34) 4.6,72.74 5.8,71.54 5.8,25.66 R517.1
Net-(U501-PC14): length 11.8
  Top w0.3: U501.8 28.5,67.84 v1(28.15,67.49)
  Bottom w0.3: X501.1 34.4,65.43 C513.1 29.55,65.19 28.1,66.64 28.1,67.44
Net-(U501-PC15): length 10.7
  Top w0.3: v1(29.01,69.69) 29.01,68.84 29.5,68.34 U501.9
  Bottom w0.3: X501.2 34.4,71.05 34.16,71.29 31.55,71.29 29.9,69.64 29.06,69.64 v1(29.01,69.69)
Net-(U501-PH0): length 15.3
  Top w0.25: U501.12 33.5,69.84 35,68.34 35,65.67 36,64.67 38,64.67 38.73,65.39 38.73,67.79 X500.3
Net-(U501-PH1): length 10.1
  Top w0.25: 37,71.27 C505.1 36.13,73.67 32.8,70.34 U501.13
Net-(U501-VDDA): length 94.4
  Top w0.25: v1(34.22,68.04) 34.22,68.12 33.54,68.81 C510.2 32.26,69.34 U501.11 ; C512.2 v1(30.5,79.24) ; C517.2 28.92,60.74 v1(27.6,60.74) ; 33,74.17 32.52,74.65 v1(32.52,75.31)
  Top w0.3: U501.50 16.15,78.02 16,78.17 15,78.17 v1(15,77.17) ; U501.27 28.5,79.17 29.5,80.17 30.5,80.17 ; U501.75 15.33,63.36 C516.2 15.89,63.03 v1(16.22,63.37) ; U501.21 32.82,74.34 33,74.17 ; U501.100 C517.2
  Top w1: 12.8,73.74 C518.1 FB500.1
  In2.Cu w0.25: 20.6,73.14 20.8,72.94 20.8,69.74 22.1,68.44 33.82,68.44 v1(34.22,68.04) ; v1(32.52,75.31) 30.35,73.14 22.6,73.14 ; v1(27.6,60.74) 26.98,60.12 24.52,60.12 23.3,61.34 19.5,61.34 18.2,62.64 18.2,63.34 17.75,63.79 17.75,65.64 18.2,66.09 ; 23.6,74.34 27.2,74.34 30.5,77.64 v1(30.5,79.24)
  In2.Cu w0.3: v1(24,73.67) 23.72,73.67 23.6,73.54 ; v1(15,77.17) 15,74.34 ; 18.2,66.09 18.2,72.94 ; v1(16.22,63.37) 18.17,63.37 18.2,63.34
  Bottom w0.2: R507.2 27.25,72.09 R509.2
  Bottom w0.3: R507.2 v1(24,73.67)
  vias: v1(13.2,74.34) v1(13.2,73.14)
Net-(U501-VREF+): length 6.2
  Top w0.25: v1(28.72,73.77) 28.8,73.84 U501.20
  Bottom w0.2: C503.1 R507.1 28.62,73.67 v1(28.72,73.77)
  Bottom w0.25: C502.1 C503.1
Net-(U600-RXD): length 3.9
  Top w0.25: R612.1 15.38,103.46 U600.25
Net-(U600-TXD): length 4.3
  Top w0.25: R611.1 13.8,102.14 14.88,101.06 U600.26
Net-(U600-VBUS): length 8.1
  Top w0.25: C600.1 15.8,92.94 v1(16.6,92.14) ; C600.1 13.8,91.16 R603.2 ; C600.1 13.88,93.02 U600.8
  Bottom w0.25: R602.2 15.8,92.94 v1(16.6,92.14)
Net-(U600-~{RST}): length 5.4
  Top w0.25: R608.1 16.99,92.76 16.3,93.44 14.85,93.44 14.38,93.91 U600.9
Net-(U600-~{SUSPEND}): length 10.9
  Top w0.25: U600.11 15.38,94.32 15.81,93.89 16.65,93.89 16.7,93.84 18,93.84 18.6,94.44 R610.1
Net-(U700-Rs): length 1.6
  Top w0.3: R700.1 75.72,44.18 U700.8
Net-(U701-OSC1): length 11.7
  Top w0.4: U701.8 88.81,72.93 88.8,72.94 89.2,73.34 92,73.34 92.6,72.74 C702.2 96.3,70.74 X700.1
Net-(U701-OSC2): length 15.3
  Top w0.4: X700.2 95.6,78.34 C701.2 89.2,78.34 87.54,76.68 U701.7
Net-(U701-RXCAN): length 26.9
  Top w0.3: U701.2 81.19,69.93 80.6,69.34 79.2,69.34 78.6,69.94 78.6,75.14 77.8,75.94 72.6,75.94 72,75.34 72,66.94 71.5,66.44 U702.4
Net-(U701-TXCAN): length 19.7
  Top w0.3: U701.1 79.92,75.62 78.8,76.74 72.2,76.74 70.53,75.07 U702.1
Net-(U701-~{RESET}): length 4.5
  Top w0.3: U701.17 81.19,79.78 80.5,79.09 R702.1
Net-(U702-Rs): length 2.3
  Top w0.3: U702.8 75.47,72.49 R703.1
Net-(U703-Rs): length 1.9
  Top w0.3: R704.1 60.91,70.04 U703.8
Net-(U704-O.S.): length 4
  Top w0.2: U704.3 16.83,20.12 v1(17.12,20.42)
  Bottom w0.2: R707.1 17.33,19.52 17.12,19.72 v1(17.12,20.42)
Net-(U705-A0): length 4
  Top w0.25: U705.7 146.68,69.87 146.4,70.14 146.4,71.17 R709.2
Net-(U705-O.S.): length 3.5
  Top w0.25: R708.1 144.6,68.94 144.32,69.22 U705.3

## Copper pours and planes (outline as drawn; the poured copper is in the pictures)
+12V on Top: 57.3,36.34 57.25,30.34 52.4,30.34 52.4,36.34
+12V on Top: 26.5,46.84 26.5,39.34 34,39.34 34,30.34 38.5,30.34 38.5,46.84
+12V on Top, Bottom: 160,69.34 160,66.34 162,66.34 162,42.84 166.5,42.84 166.5,69.34
+12V on Top, Bottom: 160,55.34 160,52.34 162.5,52.34 162.5,55.34
+12V on Top, Bottom: 57.25,30.34 34,30.34 34,27.84 25,27.84 25,14.34 50.5,14.34 54.5,8.59 54.5,6.34 167.5,6.34 167.5,43.84 154,43.84 152.5,42.34 152.5,19.34 147.5,14.34 61.75,14.34 57.25,18.84
+12V on In2.Cu: 139.75,113.14 139.75,115.44 55.3,115.44 55.35,113.54
+12V on In2.Cu: 53,8.84 58,13.84 58,41.84 53,46.84 26.21,46.84 25.9,46.53 25.9,39.94 26.5,39.34 27.12,39.34 28,38.47 28,13.84 33,8.84
+12V on In2.Cu: 35.4,38.14 35.4,30.05 4.75,29.84 -1.01,35.58 -0.81,105.75 1.79,108.36 55,108.54 55,114.14 57.7,114.14 57.7,104.54 6.8,104.54 3.8,101.54 3.8,42.15 7.9,37.98
AGND on Top: 24.91,27.94 24.91,27.24 23.21,27.24 23.21,27.94
AGND on Top, Bottom: -7.5,129.34 -7.5,-6.16 172.5,-6.16 172,128.34
AGND on In1.Cu: -1.5,124.84 166,124.84 166,-0.16 -1.5,-0.16
P3V3 on Top: 7.95,49.84 12.5,49.84 12.5,59.4 9.51,59.4 7.95,57.84
P3V3 on Top: 131.4,79.74 131.4,75.54 136,75.54 136,79.74
P3V3 on Top: 8.2,74.74 8.2,72.54 5.6,72.54 5.6,74.74
P5V on Top: 18.6,46.94 18.6,39.14 8.52,39.14 8.52,46.94
P5V on Top: 18.2,39.84 7,39.84 7,24.41 8.06,23.34 18.38,23.34 18.3,26.14 18.3,30.34
P5V on Top: 5,30.94 7.4,30.94 7.4,37.54 5,37.54
P5V on Top: 12.35,9.84 19,9.84 19,15.31 12.35,15.31
P5V on In2.Cu: 19,28.09 19,9.84 12.25,9.84 12.25,28.09
P5V on In2.Cu: 101.1,58.94 101.1,47.89 117.25,47.89 121.48,52.14 121.3,89.64 113.4,89.64 113.4,62.02 110.32,58.94
P5V on In2.Cu: 11.8,40.14 18.6,40.14 18.6,47.84 102,47.84 102,58.94 11.8,58.94
P8V on Top: 27,48.84 32,48.84 32,51.09 32.75,51.84 36,51.84 36,57.34 27,57.34
3P3 on Top, In2.Cu: 141,81.54 144.3,81.54 144.3,78.74 141,78.74
8P5 on Top: 149.4,54.34 137.2,54.34 137.2,59.74 149.4,59.74
8P5 on Top: 137.25,59.59 143.5,59.59 143.5,63.84 137.25,63.84
9P5 on Top: 53.4,39.94 57.8,39.94 57.8,46.84 53.3,46.84
+BAT on Top, Bottom: 67.5,24.34 67.5,14.34 105,14.34 105,19.34 94,19.34 94,24.34
Net-(C118-Pad2) on Top: 21.25,27.09 22.5,27.09 22.5,29.59 24,31.09 25.75,31.09 26.5,31.59 26.5,38.09 25.75,38.84 19.25,38.84 19.25,30.34 20,29.59 21.25,29.59
Net-(Q101-S-Pad1) on Top: 66.5,18.59 59.19,18.59 58.75,19.03 58.75,27.09 66.06,27.09 66.5,26.66
Net-(U501-VDDA) on Top: 12,74.81 12,72.61 13.6,72.61 13.6,74.81
Net-(U501-VDDA) on In2.Cu: 12.8,74.94 12.8,72.34 23.8,72.34 23.8,74.94

## Text on the board
F.Silkscreen: 3V3 / SWA / SWD / GND | ESP32 | STM32
